# Altium PCB WUT-4-3-3.PcbDoc (part 1 of 4) (continued)
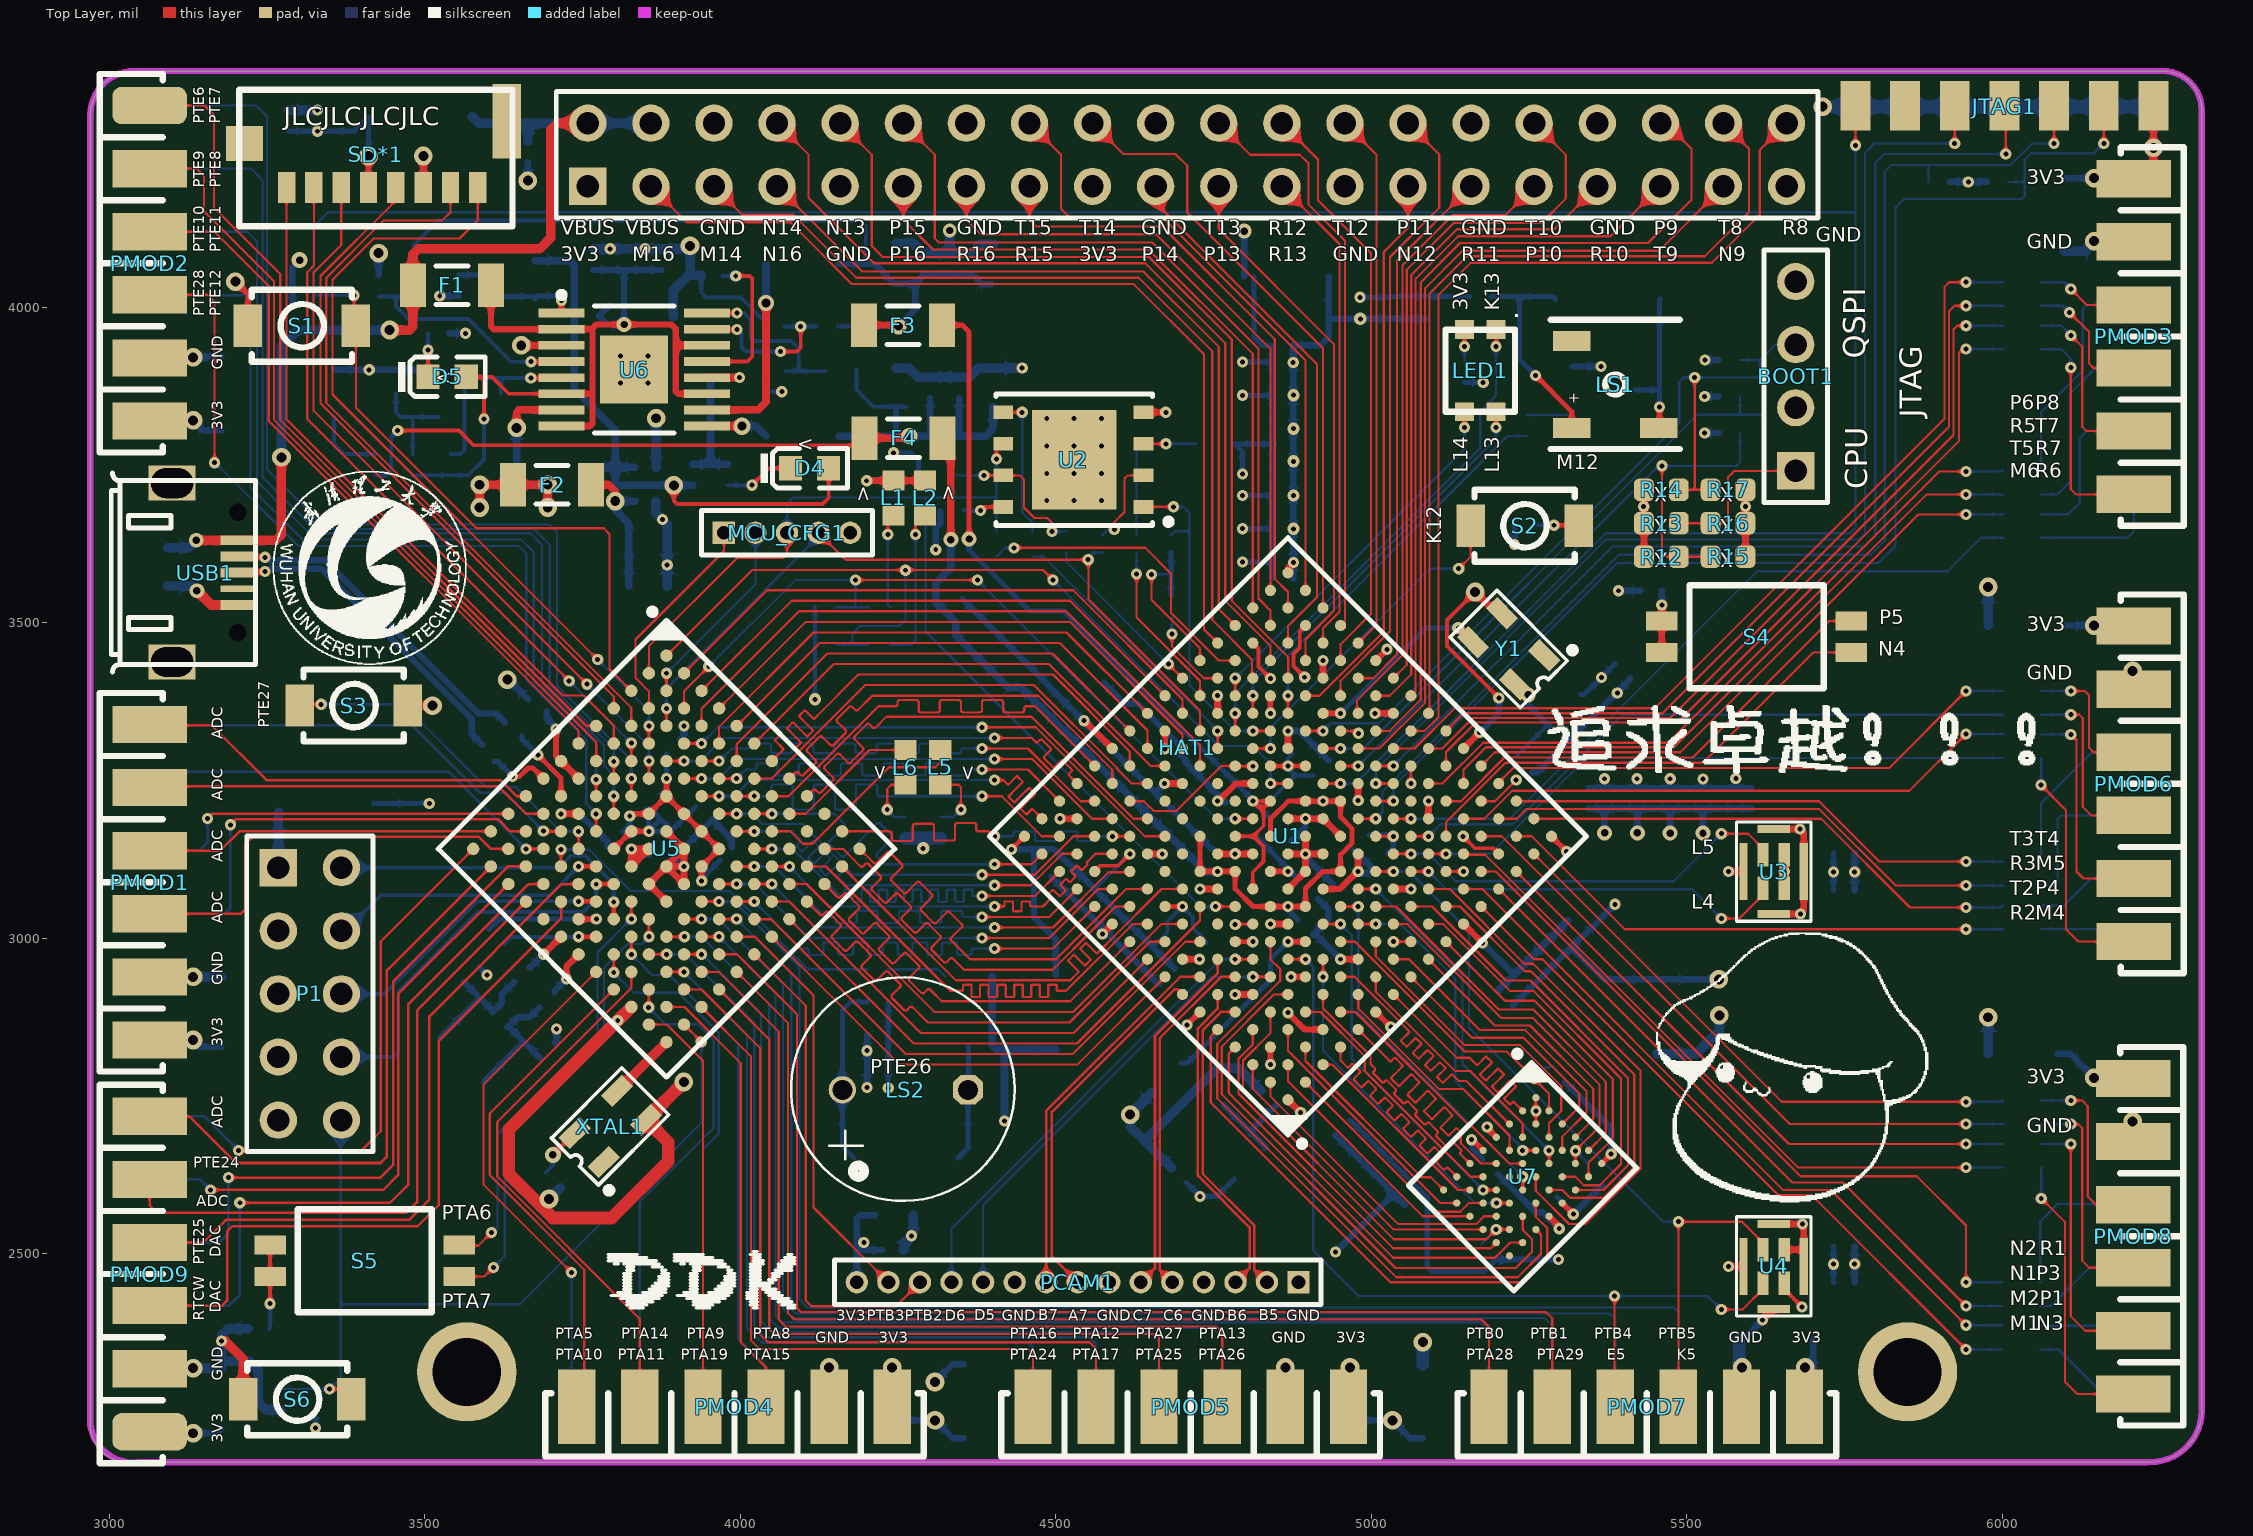
[diagram p0: Top Layer view]
## Footprints (in the part's own frame and the unit in brackets; to place one, negate y for a bottom-side part, rotate by r counter-clockwise, add the part's x,y. Pads: shape width x height; smd on the part's side, far side on the other; paste and mask are expansions set on the pad) (continued)
  silkscreen extent -9.27,-8.5 8.5,8.5, body extent -8.5,-8.5 8.5,8.5, height 1.55
BGA144C100P12X12_1300X1300X161 [mm] "BGA, 144-Leads, Body 13.00x13.00mmx1.61mm, Pitch 1.00mm"
  round 0.5 smd: A1(-5.5,5.5) A2(-4.5,5.5) A3(-3.5,5.5) A4(-2.5,5.5) A5(-1.5,5.5) A6(-0.5,5.5) A7(0.5,5.5) A8(1.5,5.5) A9(2.5,5.5) A10(3.5,5.5) A11(4.5,5.5) A12(5.5,5.5) B1(-5.5,4.5) B2(-4.5,4.5) B3(-3.5,4.5) B4(-2.5,4.5) B5(-1.5,4.5) B6(-0.5,4.5) B7(0.5,4.5) B8(1.5,4.5) B9(2.5,4.5) B10(3.5,4.5) B11(4.5,4.5) B12(5.5,4.5) C1(-5.5,3.5) C2(-4.5,3.5) C3(-3.5,3.5) C4(-2.5,3.5) C5(-1.5,3.5) C6(-0.5,3.5) C7(0.5,3.5) C8(1.5,3.5) C9(2.5,3.5) C10(3.5,3.5) C11(4.5,3.5) C12(5.5,3.5) D1(-5.5,2.5) D2(-4.5,2.5) D3(-3.5,2.5) D4(-2.5,2.5) D5(-1.5,2.5) D6(-0.5,2.5) D7(0.5,2.5) D8(1.5,2.5) D9(2.5,2.5) D10(3.5,2.5) D11(4.5,2.5) D12(5.5,2.5) E1(-5.5,1.5) E2(-4.5,1.5) E3(-3.5,1.5) E4(-2.5,1.5) E5(-1.5,1.5) E6(-0.5,1.5) E7(0.5,1.5) E8(1.5,1.5) E9(2.5,1.5) E10(3.5,1.5) E11(4.5,1.5) E12(5.5,1.5) F1(-5.5,0.5) F2(-4.5,0.5) F3(-3.5,0.5) F4(-2.5,0.5) F5(-1.5,0.5) F6(-0.5,0.5) F7(0.5,0.5) F8(1.5,0.5) F9(2.5,0.5) F10(3.5,0.5) F11(4.5,0.5) F12(5.5,0.5) G1(-5.5,-0.5) G2(-4.5,-0.5) G3(-3.5,-0.5) G4(-2.5,-0.5) G5(-1.5,-0.5) G6(-0.5,-0.5) G7(0.5,-0.5) G8(1.5,-0.5) G9(2.5,-0.5) G10(3.5,-0.5) G11(4.5,-0.5) G12(5.5,-0.5) H1(-5.5,-1.5) H2(-4.5,-1.5) H3(-3.5,-1.5) H4(-2.5,-1.5) H5(-1.5,-1.5) H6(-0.5,-1.5) H7(0.5,-1.5) H8(1.5,-1.5) H9(2.5,-1.5) H10(3.5,-1.5) H11(4.5,-1.5) H12(5.5,-1.5) J1(-5.5,-2.5) J2(-4.5,-2.5) J3(-3.5,-2.5) J4(-2.5,-2.5) J5(-1.5,-2.5) J6(-0.5,-2.5) J7(0.5,-2.5) J8(1.5,-2.5) J9(2.5,-2.5) J10(3.5,-2.5) J11(4.5,-2.5) J12(5.5,-2.5) K1(-5.5,-3.5) K2(-4.5,-3.5) K3(-3.5,-3.5) K4(-2.5,-3.5) K5(-1.5,-3.5) K6(-0.5,-3.5) K7(0.5,-3.5) K8(1.5,-3.5) K9(2.5,-3.5) K10(3.5,-3.5) K11(4.5,-3.5) K12(5.5,-3.5) L1(-5.5,-4.5) L2(-4.5,-4.5) L3(-3.5,-4.5) L4(-2.5,-4.5) L5(-1.5,-4.5) L6(-0.5,-4.5) L7(0.5,-4.5) L8(1.5,-4.5) L9(2.5,-4.5) L10(3.5,-4.5) L11(4.5,-4.5) L12(5.5,-4.5) M1(-5.5,-5.5) M2(-4.5,-5.5) M3(-3.5,-5.5) M4(-2.5,-5.5) M5(-1.5,-5.5) M6(-0.5,-5.5) M7(0.5,-5.5) M8(1.5,-5.5) M9(2.5,-5.5) M10(3.5,-5.5) M11(4.5,-5.5) M12(5.5,-5.5)
  silkscreen extent -7.27,-6.5 6.5,6.5, body extent -6.5,-6.5 6.5,6.5, height 1.61
BZ [mm]
  round 1.1 hole 0.8: 1(0,2.426)
  oct 1.2x1.2 hole 0.8: 2(0,-2.629)
  silkscreen extent -4.47,-4.51 4.53,4.49
HDR1X4 [mm] "Connector; Header; 4 Position"
  rect 1.5x1.5 hole 0.9: 1(0,0)
  round 1.5 hole 0.9: 2(2.54,0) 3(5.08,0) 4(7.62,0)
  silkscreen extent -1.27,-1.27 8.89,1.27, body extent -1.27,-1.27 8.89,1.27, height 7.58
HDR2X5 [mm] "Connector; Header; 5x2 Position"
  rect 1.5x1.5 hole 0.9: 1(0,0)
  round 1.5 hole 0.9: 2(0,2.54) 3(2.54,0) 4(2.54,2.54) 5(5.08,0) 6(5.08,2.54) 7(7.62,0) 8(7.62,2.54) 9(10.16,0) 10(10.16,2.54)
  silkscreen extent -1.27,-1.27 11.43,3.81
"key 3*4*2" [mm]
  rect 1.15x1.7 smd: 1(-2.191,0) 2(2.159,0)
  silkscreen extent -2.03,-1.45 2,1.45
LC-1206 [mm]
  rect 1.13x1.8 smd: 1(-1.49,0) 2(1.49,0)
LC-1210 [mm]
  rect 1.16x2.72 smd: 1(-1.475,0) 2(1.475,0)
MHDR1X5 [mm] "Connector; Header; 5 Position"
  rect 0.9x0.9 hole 0.55: 1(0,0)
  round 0.9 hole 0.55: 2(1.27,0) 3(2.54,0) 4(3.81,0) 5(5.08,0)
  silkscreen extent -0.9,-0.9 5.98,0.9
MHDR1X15 [mm] "Connector; Header; 15 Position"
  rect 0.9x0.9 hole 0.55: 1(0,0)
  round 0.9 hole 0.55: 2(1.27,0) 3(2.54,0) 4(3.81,0) 5(5.08,0) 6(6.35,0) 7(7.62,0) 8(8.89,0) 9(10.16,0) 10(11.43,0) 11(12.7,0) 12(13.97,0) 13(15.24,0) 14(16.51,0) 15(17.78,0)
  silkscreen extent -0.9,-0.9 18.68,0.9
"MLT-5020 BZ" [mm]
  rect 1.5x0.8 smd: 0(-1.75,1.75) 1(-1.75,-1.75) 2(1.75,-1.75)
  silkscreen extent -2.6,-2.6 2.6,2.6
QFN127P500X600X100_HS-9N [mm] "QFN, 8-Leads, Body 5.00x6.00mm, Pitch 1.27mm, Thermal Pad 4.00x3.40mm, IPC Medium Density"
  rect 0.8x0.55 smd: 1(-2.8,1.905) 2(-2.8,0.635) 3(-2.8,-0.635) 4(-2.8,-1.905) 5(2.85,-1.905) 6(2.85,-0.635) 7(2.85,0.635) 8(2.85,1.905)
  rect 3.4x4 smd paste+0 mask+0: 9(0,0)
  silkscreen extent -3.93,-2.65 3.15,2.65, body extent -3,-2.5 3,2.5, height 1
RESPBERRY-HAT [mm]
  round 4 hole 2.75: 0(-29,-49) 0(29,-49)
  rect 1.5x1.5 hole 0.9: 1(-24.13,-1.27)
  round 1.5 hole 0.9: 2(-24.13,1.27) 3(-21.59,-1.27) 4(-21.59,1.27) 5(-19.05,-1.27) 6(-19.05,1.27) 7(-16.51,-1.27) 8(-16.51,1.27) 9(-13.97,-1.27) 10(-13.97,1.27) 11(-11.43,-1.27) 12(-11.43,1.27) 13(-8.89,-1.27) 14(-8.89,1.27) 15(-6.35,-1.27) 16(-6.35,1.27) 17(-3.81,-1.27) 18(-3.81,1.27) 19(-1.27,-1.27) 20(-1.27,1.27) 21(1.27,-1.27) 22(1.27,1.27) 23(3.81,-1.27) 24(3.81,1.27) 25(6.35,-1.27) 26(6.35,1.27) 27(8.89,-1.27) 28(8.89,1.27) 29(11.43,-1.27) 30(11.43,1.27) 31(13.97,-1.27) 32(13.97,1.27) 33(16.51,-1.27) 34(16.51,1.27) 35(19.05,-1.27) 36(19.05,1.27) 37(21.59,-1.27) 38(21.59,1.27) 39(24.13,-1.27) 40(24.13,1.27)
  silkscreen extent -25.4,-2.54 25.4,2.54, body extent -25.4,-2.54 25.4,2.54, height 7.58
RGB [mil]
  rect 30x30 smd: 1(-65,25) 2(-65,-25) 3(65,-25) 4(65,25)
  silkscreen extent -90,-55 65,60
SMA(DO-214AC)_S1 [mm]
  rect 2x2 smd: 1(2.1,0) 2(-2.1,0)
  silkscreen extent -2.35,-1.5 2.35,1.5
"SMD-3215_2P FC - 135" [mm]
  rect 1x1.8 smd: 1(-1.25,0) 2(1.25,0)
  silkscreen extent -2.05,-1.2 2.05,1.2
SMT7*2-2MM [mm]
  rect 1.2x2 smd far side: 1(6.02,0.464) 3(4.02,0.464) 5(2.02,0.464) 7(0.02,0.464) 9(-1.98,0.464) 11(-3.98,0.464) 13(-5.98,0.464)
  rect 1.2x2 smd: 2(6.02,0.496) 4(4.02,0.496) 6(2.02,0.496) 8(0.02,0.496) 10(-1.98,0.496) 12(-3.98,0.496) 14(-5.98,0.496)
"SMT-HEADER 6*2"#1 [mm]
  rect 3x1.5 smd: 1(0,6.35) 2(0,3.81) 3(0,1.27) 4(0,-1.27) 5(0,-3.81) 6(0,-6.35)
  rect 3x1.5 smd far side: 7(0,6.35) 8(0,3.81) 9(0,1.27) 10(0,-1.27) 11(0,-3.81) 12(0,-6.35)
  silkscreen extent -0.53,-7.62 2.01,7.62
"SMT-HEADER 6*2"#2 [mm]
  rect 3x1.5 smd: 1(0,6.35) 2(0,3.81) 3(0,1.27) 4(0,-1.27) 5(0,-3.81)
  rrect50% 3x1.5 smd: 6(0,-6.35)
  rect 3x1.5 smd far side: 7(0,6.35) 8(0,3.81) 9(0,1.27) 10(0,-1.27) 11(0,-3.81)
  rrect50% 3x1.5 smd far side: 12(0,-6.35)
  silkscreen extent -0.53,-7.62 2.01,7.62
"SMT-HEADER 6*2"#3 [mm]
  rrect50% 3x1.5 smd: 1(0,6.35)
  rect 3x1.5 smd: 2(0,3.81) 3(0,1.27) 4(0,-1.27) 5(0,-3.81) 6(0,-6.35)
  rrect50% 3x1.5 smd far side: 7(0,6.35)
  rect 3x1.5 smd far side: 8(0,3.81) 9(0,1.27) 10(0,-1.27) 11(0,-3.81) 12(0,-6.35)
  silkscreen extent -0.53,-7.62 2.01,7.62
SOP127P600-16N [mm] "LTC3569"
  rect 1.85x0.35 smd: 1(-2.925,2.275) 2(-2.925,1.625) 3(-2.925,0.975) 4(-2.925,0.325) 5(-2.925,-0.325) 6(-2.925,-0.975) 7(-2.925,-1.625) 8(-2.925,-2.275) 9(2.925,-2.275) 10(2.925,-1.625) 11(2.925,-0.975) 12(2.925,-0.325) 13(2.925,0.325) 14(2.925,0.975) 15(2.925,1.625) 16(2.925,2.275)
  rect 2.74x2.74 smd mask+0.025: 17(0,0)
  silkscreen extent -3.05,-2.55 1.6,3.12, body extent -2.25,-2.55 2.25,2.55, height 1.1
SOT-23(SOT-23-3) [mm]
  rect 1.25x0.7 smd: 1(1.25,-0.95) 2(1.25,0.95) 3(-1.25,0)
  silkscreen extent -0.65,-1.46 0.9,1.46, body extent -1.5,-1.5 1.5,1.5, height 1.3
SPK0641HT [mm] "1"
  rect 0.45x0.95 smd: 1(-0.425,-0.675) 2(-0.425,0.675) 3(0.425,0.675) 4(0.425,-0.675)
  rect 1.3x0.325 smd: 5(0,-1.713) 7(0,1.713)
  rect 0.325x2.3 smd: 6(-1.212,0) 8(1.212,0)
  silkscreen extent -1.5,-2 1.5,2
sw*2 [mm]
  rect 1.27x0.76 smd: 1(-3.81,0.635) 2(-3.81,-0.635) 3(3.81,-0.635) 4(3.81,0.635)
  silkscreen extent -2.7,-2.07 2.7,2.07
TF卡座(短体) [mm]
  rect 1.15x3 smd: 0(0.227,1.27)
  rect 1.48x1.4 smd: 0(10.795,2.159)
  rect 0.7x1.25 smd: 1(9.097,3.937) 2(7.997,3.937) 3(6.897,3.937) 4(5.797,3.937) 5(4.697,3.937) 6(3.597,3.937) 7(2.497,3.937) 8(1.397,3.937)
  silkscreen extent 0,0 11,5.5
USB-MICRO-5P-2F [mm]
  round 0 hole 0.7: 0(-3.725,0) 0(1.125,0)
  rect 0.4x1.4 smd: 1(0,0) 2(-0.65,0) 3(-1.3,0) 5(-2.6,0)
  rect 0.254x1.4 smd: 4(-1.95,0)
  rect 1.4x1.9 hole 1.2 slot 1.7 at 90 deg: 6(2.3,2.65) 7(-4.9,2.65)
  silkscreen extent -5.3,-0.7 2.7,5.1
XTAL7_3225 [mil]
  rect 47.2x25.6 smd: 1(-47.25,-32.5) 2(47.25,-32.5) 3(47.25,32.5) 4(-47.25,32.5)
  silkscreen extent -79,-75 79,53

## Part data
BOOT1: "Header, 4-Pin", LatestRevisionDate=17-Jul-2002, LatestRevisionNote="Re-released for DXP Platform.", Publisher="Altium Limited"
C1 C2 C4 C60 C65 C73 C75 C79 C80 C84 C98 C102 C103 C104 C105 C106 C107 C108: library part "0402 100nF (104) 10% 16V", "贴片电容", Package=0402, SuppliersPartNumber=C1525, ComponentLink1Description=供应商链接, ComponentLink1URL=http://www.szlcsc.com/product/details_1877.html, Supplier=LC
C3 C5 C82: library part "0402 100pF (101) 5% 50V", "贴片电容", Package=0402, SuppliersPartNumber=C1546, ComponentLink1Description=供应商链接, ComponentLink1URL=http://www.szlcsc.com/product/details_1898.html, Supplier=LC
C6 C9 C12 C13 C14 C15 C23 C24 C26 C27 C28 C29 C37 C38 C39 C40 C45 C46 C51 C52 C53 C54 C58: library part "0402 470nF (474) 10% 10V", "贴片电容", Package=0402, SuppliersPartNumber=C47339, ComponentLink1Description=供应商链接, ComponentLink1URL=http://www.szlcsc.com/product/details_48344.html, Supplier=LC
C7 C62 C85 C89 C94 C101: library part "0402 10nF (103) 10% 50V", "贴片电容", Package=0402, SuppliersPartNumber=C15195, ComponentLink1Description=供应商链接, ComponentLink1URL=http://www.szlcsc.com/product/details_15869.html, Supplier=LC
C8 C10 C11 C25 C32 C33 C34 C35 C36 C47 C48 C49 C50 C59: library part "0402 33nF (333) 20% 50V", "贴片电容", Package=0402, SuppliersPartNumber=C1585, ComponentLink1Description=供应商链接, ComponentLink1URL=http://www.szlcsc.com/product/details_1937.html, Supplier=LC
C16 C17 C21 C22 C44 C55 C56 C83: library part "0402 4.7uF (475) 20% 10V", "贴片电容", Package=0402, SuppliersPartNumber=C23733, ComponentLink1Description=供应商链接, ComponentLink1URL=http://www.szlcsc.com/product/details_24469.html, Supplier=LC
C18 C31 C42 C64 C67 C68 C69 C70 C71 C72 C74 C78 C93: "贴片电容", LatestRevisionDate=17-Jul-2002, LatestRevisionNote="Re-released for DXP Platform.", PackageReference=RAD-0.3, Published=8-Jun-2000, Publisher="Altium Limited"
C19 C20 C77 C87 C88 C91 C92 C96 C97: library part "0603 22uF (226) 20% 6.3V", "贴片电容", Package=0603, SuppliersPartNumber=C59461, ComponentLink1Description=供应商链接, ComponentLink1URL=http://www.szlcsc.com/product/details_60514.html, Supplier=LC
C30 C41 C43 C57 C61 C66 C76 C81 C86 C90 C95: library part "0402 10uF (106) 20% 6.3V", "贴片电容", Package=0402, SuppliersPartNumber=C15525, ComponentLink1Description=供应商链接, ComponentLink1URL=http://www.szlcsc.com/product/details_16204.html, Supplier=LC
C63: library part "0603 10uF (106) 10% 10V", "贴片电容", Package=0603, SuppliersPartNumber=C19702, ComponentLink1Description=供应商链接, ComponentLink1URL=http://www.szlcsc.com/product/details_20411.html, Supplier=LC
C99 C100: library part "0402 12pF (120) 5% 50V", "贴片电容", Package=0402, SuppliersPartNumber=C1547, ComponentLink1Description=供应商链接, ComponentLink1URL=http://www.szlcsc.com/product/details_1899.html, Supplier=LC
D1 D2 D3 D6: library part "SMA(DO-214AC) SS54", "二极管", Package=SMA(DO-214AC), SuppliersPartNumber=C22452, ComponentLink1URL=http://www.szlcsc.com/product/details_23178.html, Supplier=LC
  D1 D2 D3: ComponentLink1Description=供应商链接
  D6: ComponentLink1Description=供应商
D4: library part "0603 黄灯", "发光二极管", Package=0603, SuppliersPartNumber=C72038, ComponentLink1Description=供应商链接, ComponentLink1URL=http://www.szlcsc.com/product/details_73147.html, Supplier=LC
D5: library part "0603 绿灯", "发光二极管", Package=0603, SuppliersPartNumber=C72043, ComponentLink1Description=供应商链接, ComponentLink1URL=http://www.szlcsc.com/product/details_73152.html, Supplier=LC
F1 F2 F3 F4: "Fuse", LatestRevisionDate=17-Jul-2002, LatestRevisionNote="Re-released for DXP Platform.", PackageDescription="Thru-Hole; 2 Leads", PackageReference=PIN-W2/E2.8, Published=8-Jun-2000, Publisher="Altium Limited"
FB1 FB2: library part "0805 600Ω 25% 100MHz", "贴片磁珠", Package=0805, SuppliersPartNumber=C1017, ComponentLink1Description=供应商链接, ComponentLink1URL=http://www.szlcsc.com/product/details_1369.html, Supplier=LC
JTAG1: "Header, 7-Pin, Dual row", LatestRevisionDate=17-Jul-2002, LatestRevisionNote="Re-released for DXP Platform.", Publisher="Altium Limited"
L3: library part "0402 39nH", "贴片电感", Package=0402, SuppliersPartNumber=C26443, ComponentLink1Description=供应商链接, ComponentLink1URL=http://www.szlcsc.com/product/details_27187.html, Supplier=LC
L4: library part "0402 10nH 5%", "贴片电感", Package=0402, SuppliersPartNumber=C27147, ComponentLink1Description=供应商链接, ComponentLink1URL=http://www.szlcsc.com/product/details_27896.html, Supplier=LC
L7 L8 L9: library part Inductor_1, "Inductor"
LS1 LS2: "Electrical Bell", LatestRevisionDate=17-Jul-2002, LatestRevisionNote="Re-released for DXP Platform.", PackageReference=PIN2, Published=24-Mar-1999, Publisher="Altium Limited"
MCU_CFG1: "Header, 5-Pin", LatestRevisionDate=17-Jul-2002, LatestRevisionNote="Re-released for DXP Platform.", Publisher="Altium Limited"
P1: library part "Header 5X2", "Header, 5-Pin, Dual row", LatestRevisionDate=17-Jul-2002, LatestRevisionNote="Re-released for DXP Platform.", Publisher="Altium Limited"
PCAM1: "Header, 15-Pin", LatestRevisionDate=17-Jul-2002, LatestRevisionNote="Re-released for DXP Platform.", Publisher="Altium Limited"
PMOD1 PMOD2 PMOD3 PMOD4 PMOD5 PMOD6 PMOD7 PMOD8 PMOD9: "Header, 6-Pin, Dual row", LatestRevisionDate=17-Jul-2002, LatestRevisionNote="Re-released for DXP Platform.", Publisher="Altium Limited"
Q1 Q2 Q3 Q4: library part "SOT-23 SS8050 Y1", "三极管", Package=SOT-23, SuppliersPartNumber=C2150, ComponentLink1Description=供应商链接, ComponentLink1URL=http://www.szlcsc.com/product/details_2507.html, Supplier=LC
R1 R2 R53 R55 R56 R60 R63 R64 R65: library part "0402 10KΩ (1002) 1%", "贴片电阻", Package=0402, SuppliersPartNumber=C25744, ComponentLink1Description=供应商链接, ComponentLink1URL=http://www.szlcsc.com/product/details_26487.html, Supplier=LC
R3: library part "0402 200Ω (2000) 1%", "贴片电阻", Package=0402, SuppliersPartNumber=C25087, ComponentLink1Description=供应商链接, ComponentLink1URL=http://www.szlcsc.com/product/details_25830.html, Supplier=LC
R4 R5 R6 R21: library part "0402 4.7KΩ (4701) 1%", "贴片电阻", Package=0402, SuppliersPartNumber=C25900, ComponentLink1Description=供应商链接, ComponentLink1URL=http://www.szlcsc.com/product/details_26643.html, Supplier=LC
R7 R8: library part "0402 2.2KΩ (2201) 1%", "贴片电阻", Package=0402, SuppliersPartNumber=C25879, ComponentLink1Description=供应商链接, ComponentLink1URL=http://www.szlcsc.com/product/details_26622.html, Supplier=LC
R9 R10 R11 R18 R30 R35: library part "0402 1KΩ (1001) 1%", "贴片电阻", Package=0402, SuppliersPartNumber=C11702, ComponentLink1Description=供应商链接, ComponentLink1URL=http://www.szlcsc.com/product/details_12256.html, Supplier=LC
R12 R16 R17: "贴片电阻", LatestRevisionDate=17-Jul-2002, LatestRevisionNote="Re-released for DXP Platform.", PackageReference=AXIAL-0.3, Published=8-Jun-2000, Publisher="Altium Limited"
R13 R14 R15: library part Res, "贴片电阻", LatestRevisionDate=17-Jul-2002, LatestRevisionNote="Re-released for DXP Platform.", PackageReference=AXIAL-0.3, Published=8-Jun-2000, Publisher="Altium Limited"
R19: library part "0402 49.9Ω (49R9) 1%", "贴片电阻", Package=0402, SuppliersPartNumber=C25120, ComponentLink1Description=供应商链接, ComponentLink1URL=http://www.szlcsc.com/product/details_25863.html, Supplier=LC
R20 R22: library part "0603 1.8KΩ (1801) 1%", "贴片电阻", Package=0603, SuppliersPartNumber=C4177, ComponentLink1Description=供应商链接, ComponentLink1URL=http://www.szlcsc.com/product/details_4584.html, Supplier=LC
R23 R24 R25 R26: library part "0402 100Ω (1000) 1%", "贴片电阻", Package=0402, SuppliersPartNumber=C25076, ComponentLink1Description=供应商链接, ComponentLink1URL=http://www.szlcsc.com/product/details_25819.html, Supplier=LC
R27 R28 R57 R59 R61 R62: library part "0402 0Ω (0R0) 1%", "贴片电阻", Package=0402, SuppliersPartNumber=C17168, ComponentLink1Description=供应商链接, ComponentLink1URL=http://www.szlcsc.com/product/details_17853.html, Supplier=LC
R29: library part "0402 51Ω (51R0) 1%", "贴片电阻", Package=0402, SuppliersPartNumber=C25125, ComponentLink1Description=供应商链接, ComponentLink1URL=http://www.szlcsc.com/product/details_25868.html, Supplier=LC
R31 R36: library part "0402 1.5KΩ (1501) 1%", "贴片电阻", Package=0402, SuppliersPartNumber=C25867, ComponentLink1Description=供应商链接, ComponentLink1URL=http://www.szlcsc.com/product/details_26610.html, Supplier=LC
R32 R37 R38: library part "0402 10Ω (10R0) 1%", "贴片电阻", Package=0402, SuppliersPartNumber=C25077, ComponentLink1Description=供应商链接, ComponentLink1URL=http://www.szlcsc.com/product/details_25820.html, Supplier=LC
R33 R34 R44 R52: library part "0402 2KΩ (2001) 1%", "贴片电阻", Package=0402, SuppliersPartNumber=C4109, ComponentLink1Description=供应商链接, ComponentLink1URL=http://www.szlcsc.com/product/details_4516.html, Supplier=LC
R39 R43 R45 R49: library part "0402 100KΩ (1003) 1%", "贴片电阻", Package=0402, SuppliersPartNumber=C25741, ComponentLink1Description=供应商链接, ComponentLink1URL=http://www.szlcsc.com/product/details_26484.html, Supplier=LC
R40: library part "0402 150KΩ (1503) 1%", "贴片电阻", Package=0402, SuppliersPartNumber=C25755, ComponentLink1Description=供应商链接, ComponentLink1URL=http://www.szlcsc.com/product/details_26498.html, Supplier=LC
R41: library part "0603 180KΩ (1803) 1%", "贴片电阻", Package=0603, SuppliersPartNumber=C22827, ComponentLink1Description=供应商链接, ComponentLink1URL=http://www.szlcsc.com/product/details_23554.html, Supplier=LC
R42: library part "0603 30KΩ (3002) 1%", "贴片电阻", Package=0603, SuppliersPartNumber=C22984, ComponentLink1Description=供应商链接, ComponentLink1URL=http://www.szlcsc.com/product/details_23711.html, Supplier=LC
R46 R47: library part "0402 120KΩ (1203) 1%", "贴片电阻", Package=0402, SuppliersPartNumber=C25750, ComponentLink1Description=供应商链接, ComponentLink1URL=http://www.szlcsc.com/product/details_26493.html, Supplier=LC
R48: library part "0402 56KΩ (5602) 1%", "贴片电阻", Package=0402, SuppliersPartNumber=C25796, ComponentLink1Description=供应商链接, ComponentLink1URL=http://www.szlcsc.com/product/details_26539.html, Supplier=LC
R50 R51: library part "0402 7.5KΩ (7501) 1%", "贴片电阻", Package=0402, SuppliersPartNumber=C25918, ComponentLink1Description=供应商链接, ComponentLink1URL=http://www.szlcsc.com/product/details_26661.html, Supplier=LC
R54: library part "0402 300Ω (3000) 1%", "贴片电阻", Package=0402, SuppliersPartNumber=C25102, ComponentLink1Description=供应商链接, ComponentLink1URL=http://www.szlcsc.com/product/details_25845.html, Supplier=LC
R58: library part "0402 1MΩ (1004) 1%", "贴片电阻", Package=0402, SuppliersPartNumber=C26083, ComponentLink1Description=供应商链接, ComponentLink1URL=http://www.szlcsc.com/product/details_26826.html, Supplier=LC
Rp1 Rp2 Rp3 Rp4 Rp5 Rp6: library part "0603*4 470Ω (471) 5%", "贴片排阻", Package=0603*4, SuppliersPartNumber=C25510, ComponentLink1Description=供应商链接, ComponentLink1URL=http://www.szlcsc.com/product/details_26253.html, Supplier=LC
S1 S2 S3 S6: "Switch"
  S1 S2: LatestRevisionDate=17-Jul-2002, LatestRevisionNote="Re-released for DXP Platform.", PackageDescription="Switch; 2 Leads", PackageReference=SPST-2, Published=24-Mar-1999, Publisher="Altium Limited"
S4 S5: "DIP Switch, 2 Position, SPST", LatestRevisionDate=17-Jul-2002, LatestRevisionNote="Re-released for DXP Platform.", PackageReference=DIP-4, Published=24-Mar-1999, Publisher="Altium Limited"
XTAL1: library part 有源晶体
Y1 Y2: library part XTAL1
Y3: library part "SMD-3215_2P 32.768KHz 20ppm 12.5pF", "贴片晶振", Package=SMD-3215_2P, SuppliersPartNumber=C32346, ComponentLink1Description=供应商链接, ComponentLink1URL=http://www.szlcsc.com/product/details_33310.html, Supplier=LC

## Via types
v1: diameter 17.72, hole 7.87, Top Layer to Bottom Layer, tented both sides, 363 vias
v2: diameter 29.53, hole 15.75, Top Layer to Bottom Layer, tented both sides, 51 vias
v3: diameter 19.68, hole 7.87, Top Layer to Bottom Layer, 16 vias
v4: diameter 23.62, hole 11.81, Top Layer to Bottom Layer, tented both sides, 11 vias
v5: diameter 19.68, hole 7.87, Top Layer to Bottom Layer, tented both sides, 9 vias
v6: diameter 25.59, hole 13.78, Top Layer to Bottom Layer, tented both sides, 3 vias
v7: diameter 25.59, hole 11.81, Top Layer to Bottom Layer, tented both sides, 2 vias
v8: diameter 21.65, hole 11.81, Top Layer to Bottom Layer, tented both sides, 1 vias
v9: diameter 27.56, hole 13.78, Top Layer to Bottom Layer, tented both sides, 1 vias

## Nets (pads, with @x,y where several pads share a name; then routed paths per layer and width w, separated by ;. In a path a pad name is that pad's centre, name@x,y a point inside that pad or via, vN(x,y) a via of type N, cw(c..) or ccw(c..) an arc to the next point about the centre after c; other vN are vias at no path point)
1V0: C19.2 C20.2 C21.2 C22.2 C23.2 C24.2 C32.2 C33.2 C34.2 C35.2 C57.2 C58.2 C59.2 F4.1 U1.E10 U1.F7 U1.F9 U1.F11 U1.G6 U1.H9 U1.J6 U1.K9 U1.L8 | length 1607.3
  Top Layer w8: U1.F11@4728.97,3161.84 U1.E10@4728.97,3106.16 U1.F9@4784.64,3106.16 4784.64,3078.66 4812.82,3050.48 U1.F7@4840.32,3050.48 v1(4868.16,3050.48) U1.G6@4896,3050.48 4896,3078.96 4923.2,3106.16 U1.J6@4951.68,3106.16 4951.68,3132.68 4969.54,3150.54 4969.54,3174.4 4951.68,3192.26 U1.L8@4951.68,3217.52 v1(4923.84,3217.52) U1.K9@4896,3217.52 4868.68,3217.52 4840.32,3189.16 U1.H9@4840.32,3161.84
  Top Layer w12: F4.1@4321.01,3793 4334,3780.01 v4(4334,3632)
  Bottom Layer w8: C22.2@4465.79,3375.47 C22.2@4467.21,3375.47 ; v1(4868.16,3050.48) 4868.16,3045.07 C21.2@4884.17,3029.07 ; v1(4923.84,3217.52) 4944.15,3217.52 C32.2@4952.83,3208.83
  Bottom Layer w12: v4(4334,3632) 4334,3587 4310,3563 4310,3532.84 C35.2@4328.83,3514.01 4342,3500.84 4342,3480.53 C20.2@4412.56,3409.97 4424.26,3398.28 4444.86,3398.28 4465.79,3377.34 C22.2@4465.79,3375.47 ; C22.2@4467.21,3375.47 4540.21,3302.46 C59.2@4724.5,3118.18 4737.03,3105.65 v1@4757.34,3105.65
  other v1: 4756.81,3106.16
1V0OUT: C85.2 C86.2 C87.2 C88.2 F4.2 L9.2 R42.2 R54.1 | length 1496.8
  Top Layer w6: v1(3457.24,3804.76) 3554.24,3804.76 3577.5,3781.5 F4.2@4185.5,3781.5
  Top Layer w8: F4.2@4185.5,3781.5 F4.2@4196.99,3793
  Top Layer w10: v6@4265,3793 v6(4268,3796)
  Top Layer w12: F4.2@4196.99,3793 v6@4265,3793
  Bottom Layer w6: R54.1@3421.72,3734.08 3439.43,3734.08 3447.14,3741.79 3447.14,3794.67 v1(3457.24,3804.76) ; R42.2@4184.32,3901 4184.32,3869.68 4211.31,3842.68 C87.2@4247,3842.68 C87.2@4263.54,3842.68 ; 4301,3797 4302,3796 ; C85.2@4346.02,3857.25 C85.2@4347,3856.27
  Bottom Layer w10: 4246,3796 4247,3797 C87.2@4247,3842.68 ; 4301,3797 C86.2@4301,3856.27 ; 4347,3796 C85.2@4347,3856.27
  Bottom Layer w12: L9.2@4157.07,3796 4246,3796 v6(4268,3796) 4302,3796 4332,3796 4347,3796 4389,3796 4400.59,3807.59 C88.2@4400.59,3842.68
1V8: C43.2 C44.2 C45.2 C46.2 C47.2 C48.2 F3.1 L4.1 U1.F8 U1.G10 U1.J10 U1.K11 U1.L10 | length 1532
  Top Layer w6: U1.G10@4784.64,3161.84 4813.06,3161.84 ; U1.F8@4812.48,3078.32 4812.48,3104.85 4829.34,3121.7 4829.34,3145.56 4813.06,3161.84 ; U1.K11@4840.32,3273.19 U1.L10@4896,3273.19 ; 4813.06,3161.84 4829.82,3178.6 4829.82,3200.18 ; 4821.17,3208.83 4829.82,3200.18 ; 4821.17,3208.83 v1(4812.48,3217.52) 4823,3217.52 U1.J10@4840.32,3217.52 4831.64,3208.83 ; 4821.17,3208.83 4829.82,3208.83 ; 4829.82,3200.18 4829.82,3207.02 ; 4829.82,3207.02 4829.82,3208.83 ; 4829.82,3207.02 4831.64,3208.83 ; 4829.82,3208.83 4831.64,3208.83
  Top Layer w8: F3.1@4320.01,3972 4352.22,3972 4363,3961.22 v4(4363,3633)
  Bottom Layer w6: C43.2@4792.83,3238.83 C43.2@4792.83,3239.12 ; v1@4813.32,3218.35 4826.66,3205 4879.83,3258.17 ; L4.1@4840.83,3185.83 L4.1@4840.83,3189.17 ; C47.2@4875.65,3293.01 4867,3284.36 4867,3271 4879.83,3258.17 ; C48.2@4909.17,3258.17 4879.83,3258.17
  Bottom Layer w8: v4(4363,3633) 4363,3615.05 4459.05,3519 4513,3519 C44.2@4602.83,3429.17 ; C44.2@4602.81,3429.14 4729.12,3302.83 C43.2@4792.83,3239.12 ; C43.2@4792.83,3238.83 4793.25,3238.41 v1@4813.32,3218.35 ; v1(4812.48,3217.52) L4.1@4840.83,3189.17
  other v1: 4868.16,3273.19